# Altium PCB Motor_Driver_Module.PcbDoc
Units mm, origin at the board's own origin, x right, y up, seen from the top; angles counter-clockwise.
Board outline 86.99 x 52.07 mm, 2 copper layers (Top Layer, Bottom Layer); 89 components, 61 nets, 328 pads, 38 vias.
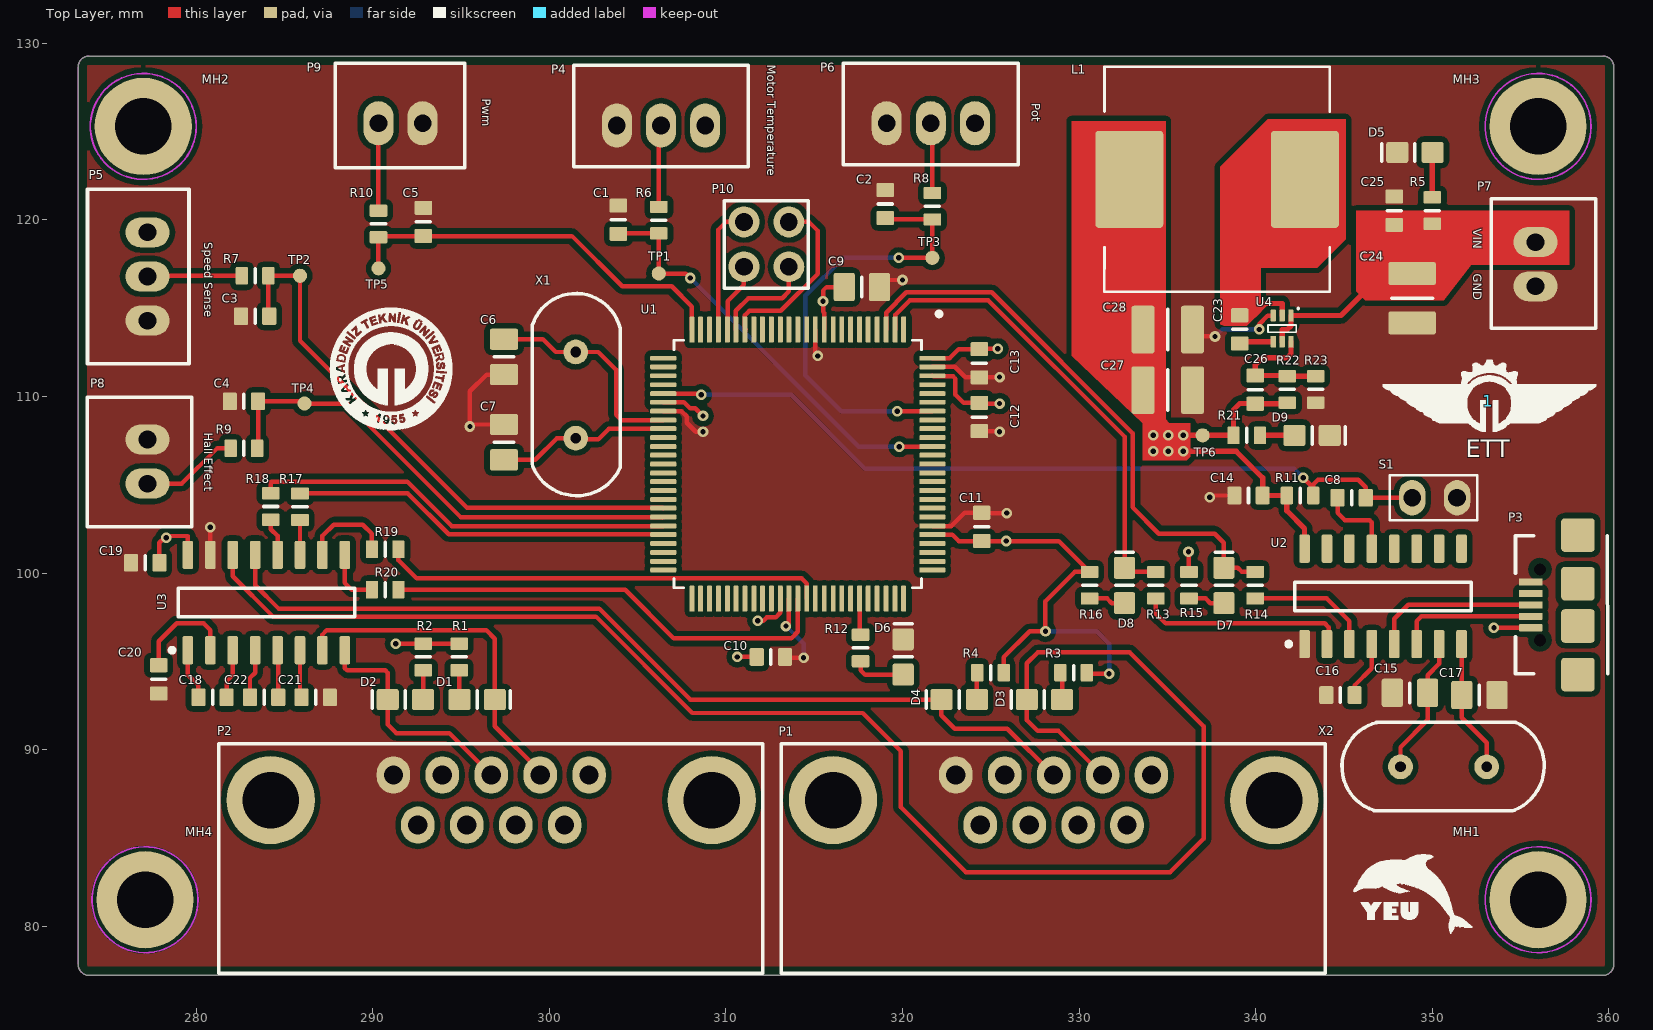
[diagram p0: Top Layer view]
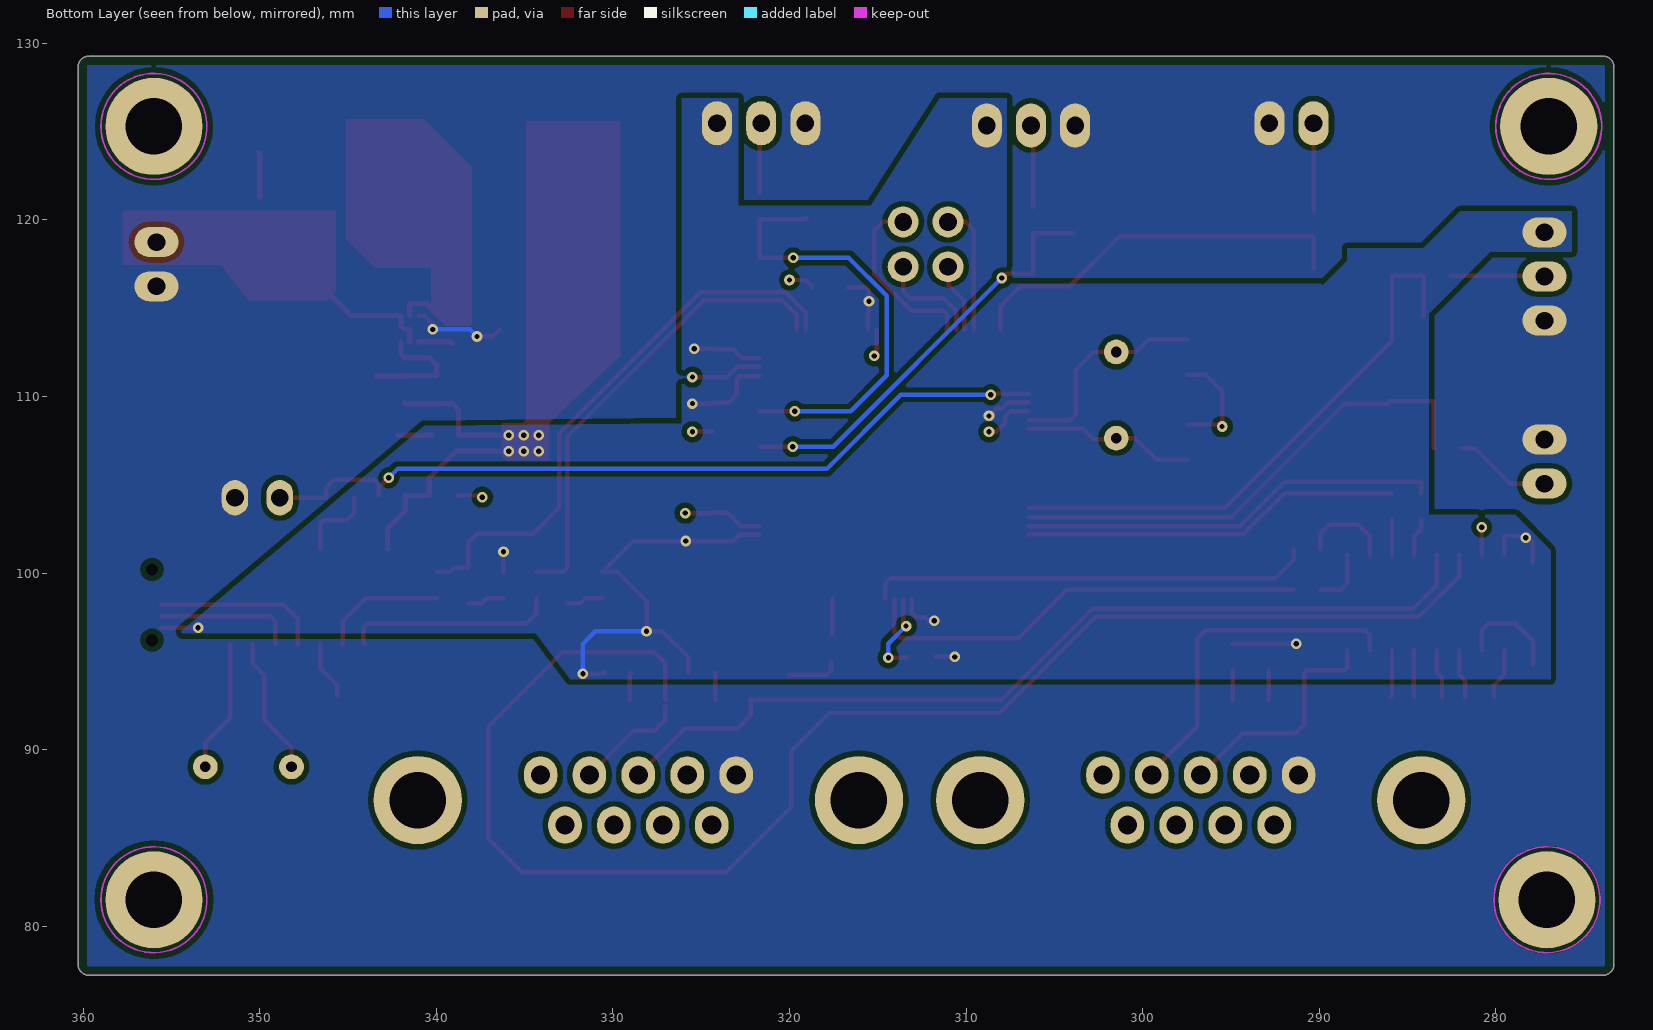
[diagram p1: Bottom Layer view, seen from below]

## Layer stack, top to bottom
Top Solder: solder mask 0.0102, Solder Resist, Dk 3.5
Top Layer: signal copper 0.0356
Dielectric 1: dielectric 0.32, FR-4, Dk 4.8
Bottom Layer: signal copper 0.0356
Bottom Solder: solder mask 0.0102, Solder Resist, Dk 3.5

## Board outline
273.304,77.851 ccw(c273.939,77.851) 273.939,77.216 359.664,77.216 ccw(c359.664,77.851) 360.299,77.851 360.299,128.651 ccw(c359.664,128.651) 359.664,129.286 273.939,129.286 ccw(c273.939,128.651) 273.304,128.651

## Design rules (kind name [scope] priority, off if disabled: settings)
BoardOutlineClearance Silk_Top [OnLayer('Top Overlay')] p1: gap=0 ignorepadtopadclearanceinfootprint=FALSE
BoardOutlineClearance [All] p2: gap=0.5 ignorepadtopadclearanceinfootprint=FALSE
Clearance SOT-563 [HasFootprint('SOT-563')] p1: gap=0.2 ignorepadtopadclearanceinfootprint=FALSE except(0: Arc-Hole Track-Hole SMDPad-Hole THPad-Hole Via-Hole Fill-Hole Poly-Hole Region-Hole Text-Hole)
Clearance 10-WFDFN [HasFootprint('10-WFDFN')] p2: gap=0.2 ignorepadtopadclearanceinfootprint=FALSE except(0: Arc-Hole Track-Hole SMDPad-Hole THPad-Hole Via-Hole Fill-Hole Poly-Hole Region-Hole Text-Hole)
Clearance HTSSOP-14 [HasFootprint('HTSSOP-14')] p3: gap=0.2 ignorepadtopadclearanceinfootprint=FALSE except(0: Arc-Hole Track-Hole SMDPad-Hole THPad-Hole Via-Hole Fill-Hole Poly-Hole Region-Hole Text-Hole)
Clearance Polygon [IsRegion] p4: gap=0.3 ignorepadtopadclearanceinfootprint=FALSE except(0: Arc-Hole Track-Hole SMDPad-Hole THPad-Hole Via-Hole Fill-Hole Poly-Hole Region-Hole Text-Hole)
Clearance USB_CONNECTOR [HasFootprint('MICRO USB B SMD')] p5: gap=0.2 ignorepadtopadclearanceinfootprint=TRUE except(0: Arc-Hole Track-Hole SMDPad-Hole THPad-Hole Via-Hole Fill-Hole Poly-Hole Region-Hole Text-Hole; 0.15: Arc-SMDPad Arc-THPad Track-SMDPad Track-THPad SMDPad-SMDPad SMDPad-THPad THPad-THPad)
Clearance [All] p6: gap=0.2 ignorepadtopadclearanceinfootprint=FALSE except(0: Arc-Hole Track-Hole SMDPad-Hole THPad-Hole Via-Hole Fill-Hole Poly-Hole Region-Hole Text-Hole)
Height [All] p1: minheight=0 maxheight=35 prefheight=12.7
HoleSize [All] p1: absolutevalues=TRUE maxlimit=3.5 minlimit=0.025 maxpercent=80.000 minpercent=20.000
MinimumSolderMaskSliver [All] p1: minsoldermaskwidth=0.099
PolygonConnect [All] p1: connectstyle=Direct reliefconductorwidth=0.254 reliefentries=4 polygonreliefangle="90 Angle" airgapwidth=0.254
RoutingVias [All] p1: holewidth=0.711 width=1.27 viastyle="Through Hole" minholewidth=0.3 minwidth=0.6 maxholewidth=0.711 maxwidth=1.27
SilkToSilkClearance [All] p1: silktosilkclearance=0.1
SilkToSolderMaskClearance [IsPad] p1: minsilkscreentomaskgap=0.1 clearancetoexposedcopper=TRUE
SolderMaskExpansion [All] p1: expansion=0.05
Width [All] p1: maxlimit=2 minlimit=0.25 preferedwidth=0.25
25 further rules are at their usual default settings.

## Classes and differential pairs
component class Power: C23 C24 C25 C26 C27 C28 D9 L1 R21 R22 R23 TP6 U4
component class Peripheral: C14 C15 C16 C17 C18 C19 C20 C21 C22 D7 D8 R13 R14 R15 R16 R17 R18 R19 R20 U2 U3 X2
component class MCU: C6 C7 C8 C9 C10 C11 C12 C13 D6 P10 R11 R12 S1 U1 X1
component class Connectors: C1 C2 C3 C4 C5 D1 D2 D3 D4 D5 MH1 MH2 MH3 MH4 P1 P2 P3 P4 P5 P6 P7 P8 P9 R1 R2 R3 R4 R5 R6 R7 R8 R9 R10 TP1 TP2 TP3 TP4 TP5

## Components (designator, comment, footprint, x,y, rotation, side; value= is the part's Value field where it differs from the comment)
1 "KTUETT_LOGO" KTUETT_LOGO 353.187,109.728 r0 top
C1 "100nF" CAP-0603 303.911,120.015 r270 top
C2 "100nF" CAP-0603 319.024,120.904 r270 top
C3 "100nF" CAP-0603 283.337,114.554 r0 top
C4 "10nF" CAP-0603 282.702,109.728 r0 top
C5 "10nF" CAP-0603 292.862,119.888 r90 top
C6 "22pF" CAP-0805 297.434,112.241 r90 top
C7 "22pF" CAP-0805 297.434,107.415 r270 top
C8 "100nF" CAP-0603 345.44,104.267 r180 top
C9 "4.7uF" CAP-0805 317.7,116.2 r180 top
C10 "100nF" CAP-0603 312.547,95.25 r180 top
C11 "100nF" CAP-0603 324.485,102.616 r270 top
C12 "100nF" CAP-0603 324.358,108.839 r90 top
C13 "100nF" CAP-0603 324.358,111.887 r90 top
C14 "100nF" CAP-0603 339.598,104.394 r0 top
C15 "22pF" CAP-0805 348.742,93.218 r0 top
C16 "10nF" CAP-0603 344.805,93.091 r0 top
C17 "22pF" CAP-0805 352.679,93.091 r180 top
C18 "100nF" CAP-0603 280.924,92.964 r180 top
C19 "100nF" CAP-0603 277.114,100.584 r0 top
C20 "100nF" CAP-0603 277.876,93.98 r90 top
C21 "100nF" CAP-0603 286.766,92.964 r180 top
C22 "100nF" CAP-0603 283.845,92.964 r180 top
C23 "100nF" CAP-0603 339.1,113.8 r90 top
C24 "22uF" CAP-1210 348.869,115.57 r90 top
C25 "100nF" CAP-0603 347.853,120.523 r270 top
C26 "56pF" CAP-0603 339.979,110.39 r270 top
C27 "22uF" CAP-1210 335.026,110.363 r180 top
C28 "22uF" CAP-1210 335.026,113.792 r180 top
D1 "BL-HKB35A-TRB" LED-0805 295.91,92.837 r0 top
D2 "BL-HKB35A-TRB" LED-0805 291.846,92.837 r180 top
D3 "BL-HKB35A-TRB" LED-0805 328.041,92.837 r180 top
D4 "BL-HKB35A-TRB" LED-0805 323.215,92.837 r180 top
D5 "BL-HKB35A-TRB" LED-0805 349.025,123.825 r180 top
D6 "BL-HKB35A-TRB" LED-0805 320.04,95.25 r90 top
D7 "BL-HKB35A-TRB" LED-0805 338.203,99.298 r90 top
D8 "BL-HKB35A-TRB" LED-0805 332.576,99.298 r90 top
D9 "BL-HKB35A-TRB" LED-0805 343.2,107.8 r0 top
L1 "4.7uH" IND_EATON_DR125-4R7-R 337.82,122.301 r180 top
MH1 "3mm Mounting Hole" "3mm Mounting Hole" 356,81.5 r0 top
MH2 "3mm Mounting Hole" "3mm Mounting Hole" 277,125.3 r0 top
MH3 "3mm Mounting Hole" "3mm Mounting Hole" 356,125.3 r0 top
MH4 "3mm Mounting Hole" "3mm Mounting Hole" 277.1,81.5 r0 top
P1 "DS1037-09FNAKT74" "D SUB 9PIN FEMALE 90C TH" 328.561,87.145 r0 top
P2 "DS1037-09FNAKT74" "D SUB 9PIN FEMALE 90C TH" 296.708,87.145 r0 top
P3 "5UR2B01MF-105G0BUHR1" "MICRO USB B SMD" 356.921,98.203 r90 top
P4 "L-KLS1-2.50-03-S" "3PIN MALE 180C TH 2.5mm" 306.324,125.353 r180 top
P5 "L-KLS1-2.50-03-S" "3PIN MALE 180C TH 2.5mm" 277.241,116.8 r270 top
P6 "L-KLS1-2.50-03-S" "3PIN MALE 180C TH 2.5mm" 321.604,125.48 r180 top
P7 "L-KLS1-XL4-2.50-02-S" "2 PIN MALE 180C TH 2.50MM" 350.774,115.991 r270 top
P8 "L-KLS1-XL4-2.50-02-S" "2 PIN MALE 180C TH 2.50MM" 282.321,107.823 r90 top
P9 "L-KLS1-XL4-2.50-02-S" "2 PIN MALE 180C TH 2.50MM" 293.076,120.396 r0 top
P10 "2x2 Header" "2x2 Header (2.54mm)" 312.293,118.618 r180 top
R1 "1k" RES-0603 294.894,95.25 r90 top
R2 "1k" RES-0603 292.862,95.25 r90 top
R3 "1k" RES-0603 329.692,94.361 r0 top
R4 "1k" RES-0603 324.993,94.361 r0 top
R5 "10k" RES-0603 350.012,120.535 r270 top
R6 "10k" RES-0603 306.197,119.988 r270 top
R7 "10k" RES-0603 283.337,116.84 r0 top
R8 "10k" RES-0603 321.691,120.777 r270 top
R9 "10k" RES-0603 282.702,107.061 r0 top
R10 "1k" RES-0603 290.322,119.773 r270 top
R11 "10k" RES-0603 342.519,104.394 r180 top
R12 "1k" RES-0603 317.627,95.758 r90 top
R13 "1k" RES-0603 334.352,99.314 r90 top
R14 "1k" RES-0603 339.979,99.314 r90 top
R15 "1k" RES-0603 336.227,99.314 r90 top
R16 "1k" RES-0603 330.6,99.314 r90 top
R17 "1k" RES-0603 285.877,103.759 r90 top
R18 "1k" RES-0603 284.226,103.771 r90 top
R19 "1k" RES-0603 290.703,101.346 r0 top
R20 "1k" RES-0603 290.703,99.06 r0 top
R21 "10k" RES-0603 339.5,107.8 r180 top
R22 "52.3k" RES-0603 341.8,110.4 r270 top
R23 "10k" RES-0603 343.4,110.4 r90 top
S1 "Push Button" "2.54mm_Push Button" 350.139,104.267 r180 top
TP1 "Test Point" "0.8mm Test Point" 306.197,116.967 r90 top
TP2 "Test Point" "0.8mm Test Point" 285.877,116.84 r90 top
TP3 "Test Point" "0.8mm Test Point" 321.691,117.856 r90 top
TP4 "Test Point" "0.8mm Test Point" 286.131,109.601 r90 top
TP5 "Test Point" "0.8mm Test Point" 290.322,117.26 r90 top
TP6 "Test Point" "0.8mm Test Point" 337,107.8 r90 top
U1 "ATMEGA2560-16AU" "TQFP-100 Microchip" 314.071,106.172 r270 top
U2 "CH340G" 16-SOIC_CH340G 347.218,98.679 r90 top
U3 "MAX232DR" 16-SOIC_MAX232DR 283.972,98.331 r90 top
U4 "TPS562202DRLR" SOT-563 341.503,113.846 r270 top
X1 "16Mhz" "OSC-THT (11.5*5.00*3.60)" 301.498,110.082 r90 top
X2 "12Mhz" "OSC-THT (11.5*5.00*3.60)" 350.647,89.027 r180 top

## Footprints (in the part's own frame and the unit in brackets; to place one, negate y for a bottom-side part, rotate by r counter-clockwise, add the part's x,y. Pads: shape width x height; smd on the part's side, far side on the other; paste and mask are expansions set on the pad)
"0.8mm Test Point" [mm]
  round 0.8 smd: 1(0,0)
"2 PIN MALE 180C TH 2.50MM" [mm]
  oval 1.7x2.5 hole 1: 1(-2.754,5.08) 2(-0.254,5.08)
  silkscreen extent -5.2,2.57 2.13,8.48, body extent -5.12,2.64 2.06,8.48, height 7.21
"2.54mm_Push Button" [mm]
  oval 1.5x2 hole 1: 1(-1.27,0) 2(1.27,0)
  silkscreen extent -2.41,-1.27 2.54,1.27
"2x2 Header (2.54mm)" [mm]
  round 1.75 hole 1: 1(-1.27,1.27) 2(1.27,1.27) 3(-1.27,-1.27) 4(1.27,-1.27)
  silkscreen extent -2.37,-2.47 2.37,2.47, body extent -2.34,-2.44 2.34,2.44, height 8.24
"3mm Mounting Hole" [mm]
  round 5.5 hole 3.2: 1(0,0)
  Top Layer keep-out circle w0.1: c0,0 r3
  Bottom Layer keep-out circle w0.1: c0,0 r3
"3PIN MALE 180C TH 2.5mm" [mm]
  oval 1.7x2.5 hole 1: 1(-2.5,0) 2(0,0) 3(2.5,0)
  silkscreen extent -4.95,-3.4 4.95,2.35, body extent -4.95,-3.4 4.95,2.35, height 7
16-SOIC_CH340G [mm]
  rrect30% 1.6x0.6 smd: 1(-2.7,4.445) 2(-2.7,3.175) 3(-2.7,1.905) 4(-2.7,0.635) 5(-2.7,-0.635) 6(-2.7,-1.905) 7(-2.7,-3.175) 8(-2.7,-4.445) 9(2.7,-4.445) 10(2.7,-3.175) 11(2.7,-1.905) 12(2.7,-0.635) 13(2.7,0.635) 14(2.7,1.905) 15(2.7,3.175) 16(2.7,4.445)
  silkscreen extent -2.82,-5 0.8,5.47, body extent -3,-4.95 3,4.95, height 1.4
16-SOIC_MAX232DR [mm]
  rrect30% 1.6x0.6 smd: 1(-2.7,4.445) 2(-2.7,3.175) 3(-2.7,1.905) 4(-2.7,0.635) 5(-2.7,-0.635) 6(-2.7,-1.905) 7(-2.7,-3.175) 8(-2.7,-4.445) 9(2.7,-4.445) 10(2.7,-3.175) 11(2.7,-1.905) 12(2.7,-0.635) 13(2.7,0.635) 14(2.7,1.905) 15(2.7,3.175) 16(2.7,4.445)
  silkscreen extent -2.82,-5 0.8,5.47, body extent -3,-4.95 3,4.95, height 1.4
CAP-0603 [mm]
  rrect20% 0.8x1 smd: 1(-0.8,0) 2(0.8,0)
  silkscreen extent 0,-0.4 0,0.4, body extent -0.8,-0.4 0.8,0.41, height 0.87
CAP-0805 [mm]
  rrect20% 1.2x1.6 smd: 1(-1,0) 2(1,0)
  silkscreen extent 0,-0.55 0,0.55, body extent -1,-0.62 1,0.63, height 0.78
CAP-1210 [mm]
  rrect20% 1.3x2.7 smd: 1(-1.4,0) 2(1.4,0)
  silkscreen extent 0,-1.15 0,1.15, body extent -1.6,-1.25 1.6,1.25, height 1.3
"D SUB 9PIN FEMALE 90C TH" [mm]
  round 5 hole 3.2: 0(-12.495,0) 0(12.495,0)
  oval 1.9x2.1 hole 1.09: 1(5.54,1.42) 2(2.77,1.42) 3(0,1.42) 4(-2.77,1.42) 5(-5.54,1.42) 6(4.155,-1.42) 7(1.385,-1.42) 8(-1.385,-1.42) 9(-4.155,-1.42)
  silkscreen extent -15.42,-9.8 15.39,3.2, body extent -15.42,-15.34 15.39,2.96, height 12.47
IND_EATON_DR125-4R7-R [mm]
  rrect10% 3.85x5.5 smd: 1(-4.975,0) 2(4.975,0)
  silkscreen extent -6.38,-6.38 6.4,6.38, body extent -6.25,-6.25 6.25,6.25, height 8.5
KTUETT_LOGO [mm]
  silkscreen extent -5.99,-1.69 6.1,2.35
LED-0805 [mm]
  rrect20% 1.25x1.2 smd: 1(-1,0) 2(1,0)
  silkscreen extent 0,-0.5 1.88,0.5, body extent -1,-0.45 1.06,0.46, height 0.85
"MICRO USB B SMD" [mm]
  round 0 hole 0.7: 0(-2,0.813) 0(2,0.813)
  rrect20% 0.4x1.35 smd: 1(-1.3,1.338) 2(-0.65,1.338) 3(0,1.338) 4(0.65,1.338) 5(1.3,1.338)
  rrect20% 1.9x1.9 smd: 6(-3.95,-1.337) 6(-1.2,-1.337) 6(1.2,-1.337) 6(3.95,-1.337)
  silkscreen extent -3.9,-3.04 3.9,2.2, body extent -3.9,-3.04 3.9,1.96, height 2.73
"OSC-THT (11.5*5.00*3.60)" [mm]
  round 1.4 hole 0.6: 1(-2.44,0) 2(2.44,0)
  silkscreen extent -5.7,-2.53 5.75,2.47, body extent -5.59,-2.4 5.69,2.37, height 3.63
RES-0603 [mm]
  rrect20% 0.7x1 smd: 1(-0.75,0) 2(0.75,0)
  silkscreen extent 0,-0.4 0,0.4, body extent -0.8,-0.41 0.8,0.41, height 0.51
SOT-563 [mm]
  rrect30% 0.67x0.3 smd: 1(-0.74,0.5) 2(-0.74,0) 3(-0.74,-0.5) 4(0.74,-0.5) 5(0.74,0) 6(0.74,0.5)
  silkscreen extent -1.14,-0.8 0.2,0.9, body extent -0.84,-0.8 0.76,0.8, height 0.6
"TQFP-100 Microchip" [mil]
  rrect35% 58x11 smd: 1(-300,236) 2(-300,217) 3(-300,197) 4(-300,177) 5(-300,157) 6(-300,138) 7(-300,118) 8(-300,98) 9(-300,79) 10(-300,59) 11(-300,39) 12(-300,20) 13(-300,0) 14(-300,-20) 15(-300,-39) 16(-300,-59) 17(-300,-79) 18(-300,-98) 19(-300,-118) 20(-300,-138) 21(-300,-157) 22(-300,-177) 23(-300,-197) 24(-300,-217) 25(-300,-236) 51(300,-236) 52(300,-217) 53(300,-197) 54(300,-177) 55(300,-157) 56(300,-138) 57(300,-118) 58(300,-98) 59(300,-79) 60(300,-59) 61(300,-39) 62(300,-20) 63(300,0) 64(300,20) 65(300,39) 66(300,59) 67(300,79) 68(300,98) 69(300,118) 70(300,138) 71(300,157) 72(300,177) 73(300,197) 74(300,217) 75(300,236)
  rrect35% 11x58 smd: 26(-236,-300) 27(-217,-300) 28(-197,-300) 29(-177,-300) 30(-157,-300) 31(-138,-300) 32(-118,-300) 33(-98,-300) 34(-79,-300) 35(-59,-300) 36(-39,-300) 37(-20,-300) 38(0,-300) 39(20,-300) 40(39,-300) 41(59,-300) 42(79,-300) 43(98,-300) 44(118,-300) 45(138,-300) 46(157,-300) 47(177,-300) 48(197,-300) 49(217,-300) 50(236,-300) 76(236,300) 77(217,300) 78(197,300) 79(177,300) 80(157,300) 81(138,300) 82(118,300) 83(98,300) 84(79,300) 85(59,300) 86(39,300) 87(20,300) 88(0,300) 89(-20,300) 90(-39,300) 91(-59,300) 92(-79,300) 93(-98,300) 94(-118,300) 95(-138,300) 96(-157,300) 97(-177,300) 98(-197,300) 99(-217,300) 100(-236,300)
  silkscreen extent -340,-276 276,320, body extent -315,-315 315,315, height 46

## Part data
C1 C2 C3 C8 C10 C11 C12 C13 C14 C18 C19 C20 C21 C22 C23 C25: library part CGA3E2X7R1H104K080AA, Manufacturer=TDK, Temperature Coefficient=X7R, Tolerance=%10, Voltage=50V, Component Type="Ceramic Capacitor", Man Code=CGA3E2X7R1H104K080AA
C4 C5 C16: library part 06031C103K4T4A, Manufacturer=AVX, Temperature Coefficient=X7R, Tolerance=%10, Voltage=100V, Component Type="Ceramic Capacitor", Man Code=06031C103K4T4A
C6 C7 C15 C17: library part CL21C220JBANNNC, Manufacturer="Samsung Electro-Mechanics", Temperature Coefficient=C0G, Tolerance=%5, Voltage=50V, Component Type="Ceramic Capacitor", Man Code=CL21C220JBANNNC
C9: library part C0805C475K3RACAUTO, Manufacturer=Kemet, Temperature Coefficient=X7R, Tolerance=%10, Voltage=25V, Component Type="Ceramic Capacitor", Man Code=C0805C475K3RACAUTO
C24 C27 C28: library part CL32B226KAJNNNE, Manufacturer="Samsung Electro-Mechanics", Temperature Coefficient=X7R, Tolerance=%10, Voltage=25V, Component Type="Ceramic Capacitor", Man Code=CL32B226KAJNNNE
C26: library part GCM1885C2A560FA16D, Manufacturer=Murata, Temperature Coefficient=C0G, Tolerance=%1, Voltage=100V, Component Type="Ceramic Capacitor", Man Code=GCM1885C2A560FA16D
D1 D2 D3 D4 D5 D6 D7 D8 D9: Colour=Yellow, Manufacturer="BRIGHT LED", Component Type=Led, If=20mA, Lens Transparency="Water Clear", Luminous Intensity=94mcd, Man Code=BL-HKB35A-TRB, Vf=2.2V
L1: library part DR125-4R7-R, Manufacturer=Eaton, Max DC Current=7.18A, Max Dc Resistance=10.5mOhm, Tolerance=%20, Component Type="Fixed Inductor", Man Code=DR125-4R7-R
P1 P2: Contact Resistance(max)=20mohm, Current(max)=1.5A, Manufacturer=CONNFLY, Component Type="D SUB 9 PIN Female Connector", Contact Number=9, Gender=Female, Man Code=DS1037-09FNAKT74, Mating Connector=L-KLS1-213-09-M-L, Mounting Angle=90, Mounting Style="Through Hole", Number of Row=2, Pitch=2.77mm
P3: Contact Resistance(max)=30mohm, Current(max)=1A, Manufacturer=AMTEK, Component Type="MICRO USB B Connector", Contact Number=5, Gender=Female, Man Code=5UR2B01MF-105G0BUHR1, Mating Connector="MICRO USB B", Mounting Angle=90, Mounting Style=SMD, Number of Row=1, Pitch=0.65mm
P4 P5 P6: Contact Resistance(max)=10mohm, Current(max)=3A, Manufacturer="KLS ELECTRONIC", Component Type="CONN 3PIN MALE 180C TH 2.5mm", Contact Number=3, Gender=Male, Man Code=L-KLS1-2.50-03-S, Mating Connector=L-KLS1-2.50-03-H, Mounting Angle=180, Mounting Style="Through Hole", Number of Row=1, Pitch=2.5mm
P7 P8 P9: Contact Resistance (Max)=10mohm, Current(max)=3A, Manufacturer="KLS ELECTRONIC", Component Type="CONN 2PIN MALE 180C TH 2.5mm", Contact Number=3, Gender=Male, Man Code=L-KLS1-XL4-2.50-02-S, Mounting Angle=180, Mounting Style=THT, Number of Row=1, Pitch=2.50mm
P10: library part "2x2 Header (2.54mm)", Contact Resistance(max)=-, Component Type=Header, Contact Number=4, Current(max)=-, Gender=Male, Man Code="2x2 Header", Manufacturer=-, Mating Connector=-, Mounting Angle=180, Mounting Style="Through Hole", Number of Row=2, Pitch=2.54mm
R1 R2 R3 R4 R10 R12 R13 R14 R15 R16 R17 R18 R19 R20: library part CRCW06031K00FKEAC, Manufacturer=Vishay, Power=0.1W, Tolerance=%1, Component Type="Chip Resistor", Man Code=CRCW06031K00FKEAC
R5 R6 R7 R8 R9 R11 R21 R23: library part CRCW060310K0FKEA, Manufacturer=Vishay, Power=0.1W, Tolerance=%1, Component Type="Chip Resistor", Man Code=CRCW060310K0FKEA
R22: library part ERJ-3EKF5232V, Manufacturer=Panasonic, Power=0.1W, Tolerance=%1, Component Type="Chip Resistor", Man Code=ERJ-3EKF5232V
U1: Manufacturer=Microchip, Supply Voltage="4.5V - 5.5V", Component Type=Microcontroller, Man Code=ATMEGA2560-16AU, Number Of Bits=8-Bit, Program Memory Size=256KB, Speed=16Mhz
U3: Manufacturer="Texas Instruments", Supply Voltage="4.5V - 5.5V", Component Type="RS-232 Transceiver", Data Rate=120Kbps, Man Code=MAX232DR
U4: Manufacturer="Texas Instruments", Component Type=Switcher, Man Code=TPS562202DRLR
X1: library part AS49S-16M-FC160F3, Capacitance=16pF, Frequency Stability=50ppm, Frequency Tolerance=20ppm, Manufacturer=ANSEN, Component Type="Crystal Oscillator", ESR=30ohm, Man Code=AS49S-16M-FC160F3
X2: library part AS49S-12M-FC160F3, Capacitance=16pF, Frequency Stability=50ppm, Frequency Tolerance=20ppm, Manufacturer=ANSEN, Component Type="Crystal Oscillator", ESR=40ohm, Man Code=AS49S-12M-FC160F3
1: Component Type=LOGO
MH1 MH2 MH3 MH4: Component Type="Mounting Hole"
S1: Component Type="Push Button"
TP1 TP2 TP3 TP4 TP5 TP6: Component Type="Test Point"
U2: Component Type="USB-TTL Converter", Man Code=CH340G

## Via types
v1: diameter 0.6, hole 0.3, Top Layer to Bottom Layer, 38 vias

## Nets (pads, with @x,y where several pads share a name; then routed paths per layer and width w, separated by ;. In a path a pad name is that pad's centre, name@x,y a point inside that pad or via, vN(x,y) a via of type N, cw(c..) or ccw(c..) an arc to the next point about the centre after c; other vN are vias at no path point)
5V: C9.2 C10.2 C11.2 C12.2 C13.2 C14.2 C19.2 C26.2 C27.2 C28.2 L1.2 P3.1 P4.1 P5.1 P6.1 R1.2 R2.2 R3.2 R4.2 R11.2 R15.2 R16.2 R21.2 R22.2 TP6.1 U1.10 U1.31 U1.61 U1.80 U1.98 U1.100 U2.16 U3.16 | length 73.5
  Top Layer w0.254: C19.2 277.914,101.714 278.2,102 v1(278.3,102) 278.4,102.1 279.527,102.1 U3.16 ; v1(291.3,96) R2.2 R1.2 ; U1.31 307.623,109.677 307.969,109.331 308.269,109.331 v1(308.7,108.9) ; v1(310.65,95.25) C10.2 ; v1(311.8,97.3) 312.123,97.3 312.311,97.488 312.819,97.488 313.08,97.75 U1.61 ; U1.10 315.57,114.73 315.5,114.8 v1(315.5,115.4) 315.5,116 315.7,116.2 C9.2 ; U1.80 322.816,102.184 323.184,101.816 C11.2 v1(325.884,101.816) 328.848,101.816 R16.2 329.764,100.064 328.1,98.4 v1(328.1,96.7) 327.2,96.7 325.743,95.243 R4.2 ; U1.98 321.732,111.134 322.865,111.134 323,111 323,110.1 323.461,109.639 C12.2 324.397,109.6 v1(325.5,109.6) ; U1.100 322.666,112.166 323.187,112.687 C13.2 324.371,112.7 v1(325.4,112.7) ; R3.2@330.481,94.4 R3.2 330.503,94.3 v1(331.7,94.3) ; v1(336.2,101.2) 336.227,101.173 R15.2 ; v1(353.5,96.9) 355.58,96.9 P3.1
  Top Layer w0.3: v1@335.7,106.9 v1(335.9,106.9) 338.9,106.9 340.4,105.4 340.4,104.396 C14.2 R11.2 341.769,103.531 342.773,102.527 U2.16 ; v1@335.7,107.8 v1(335.9,107.8) TP6.1 R21.2 338.75,109.25 339.1,109.6 339.969,109.6 C26.2 341.74,109.59 R22.2
  Bottom Layer w0.254: v1(328.1,96.7) 331,96.7 331.7,96 v1(331.7,94.3)
  other v1: 334.2,106.9 335.05,106.9 334.2,107.8 335.05,107.8
GND: C1.1 C2.1 C3.1 C4.1 C5.2 C6.1 C7.1 C9.1 C10.1 C11.1 C12.1 C13.1 C14.1 C15.1 C16.1 C17.1 C19.1 C20.1 C21.1 C24.1 C25.1 C27.1 C28.1 D5.2 D6.2 D9.2 P1.5 P2.5 P3.5 P4.3 P5.3 P6.3 P7.2 P8.2 P9.2 R23.1 S1.1 U1.11 U1.32 U1.62 U1.81 U1.99 U2.1 U3.15 U4.3 | length 35.3
  Top Layer w0.254: U3.15 280.8,101.034 v1(280.8,102.6) ; C7.1 295.615,108.415 v1(295.5,108.3) 295.5,110.3 296.441,111.241 C6.1 ; U1.32 307.489,109.169 307.781,108.877 307.781,108.519 308.3,108 v1(308.7,108) ; C10.1 313.397,95.2 v1(314.4,95.2) ; v1(313.4,97) 313.563,97.163 U1.62 ; U1.11 315.062,112.438 v1(315.2,112.3) ; C9.1 319.1,116.6 v1(320,116.6) ; U1.81 321.707,102.651 322.751,102.651 323.516,103.416 C11.1 324.501,103.4 v1(325.9,103.4) ; U1.99 322.958,111.684 323.555,111.087 C13.1 324.371,111.1 v1(325.5,111.1) ; C12.1 325.461,108.039 v1(325.5,108) ; C28.1 336.818,113.4 v1(337.7,113.4) ; v1(337.4,104.3) 337.494,104.394 C14.1 ; v1(340.2,113.8) 340.2,114.096 340.69,114.586 U4.3
  Bottom Layer w0.254: v1(313.4,97) 314.4,96 v1(314.4,95.2) ; v1(337.7,113.4) 338.1,113.8 v1(340.2,113.8)
HALL_EFFECT: C4.2 R9.2 TP4.1 U1.44 | length 28.4
  Top Layer w0.254: R9.2 283.502,107.111 C4.2 283.512,109.738 285.994,109.738 TP4.1 288.544,109.601 294.97,103.175 U1.44 U1.44@306.41,103.133
MCU_USB_N: P3.2 U2.6 | length 7.9
  Top Layer w0.254: U2.6 349.123,97.282 349.394,97.553 P3.2
MCU_USB_P: P3.3 U2.5 | length 9.5
  Top Layer w0.254: U2.5 347.853,97.409 348.647,98.203 P3.3
MISO: P10.4 U1.22 | length 7.3
  Top Layer w0.254: U1.22 309.575,119.456 310.007,119.888 P10.4
MOSI: P10.2 U1.21 | length 3.9
  Top Layer w0.254: U1.21 310.099,113.808 310.099,115.408 311.023,116.332 P10.2
MOTOR_TEMP: C1.2 R6.2 TP1.1 U1.90 | length 24.1
  Top Layer w0.254: C1.2 303.934,119.238 R6.2 TP1.1 307.721,116.967 v1(307.975,116.713) ; v1(319.811,107.163) U1.90
  Bottom Layer w0.254: v1(307.975,116.713) 317.525,107.163 v1(319.811,107.163)
NetC6_2: C6.2 U1.33 X1.2 | length 12.4
  Top Layer w0.254: C6.2 299.636,113.241 300.355,112.522 X1.2 302.768,112.522 303.784,111.506 303.784,108.966 304.089,108.661 U1.33
NetC7_2: C7.2 U1.34 X1.1 | length 9.8
  Top Layer w0.254: C7.2 299.201,106.415 300.428,107.642 X1.1 301.571,107.569 302.768,107.569 303.378,108.179 U1.34
NetC8_1: C8.1 R11.1 S1.2 U1.30 | length 46.1
  Top Layer w0.254: U1.30 308.54,110.16 v1(308.6,110.1) ; v1(342.7,105.4) R11.1@343.269,104.831 ; R11.1 R11.1@343.269,104.831 ; S1.2 C8.1 346.24,104.864 345.821,105.283 343.535,105.283 343.269,105.017 R11.1@343.269,104.831
  Bottom Layer w0.254: v1(308.6,110.1) 313.7,110.1 317.9,105.9 342.2,105.9 v1(342.7,105.4)
NetC8_2: C8.2 U2.13 | length 4.5
  Top Layer w0.254: C8.2 344.64,103.416 345.059,102.997 346.456,102.997 346.583,102.87 U2.13
NetC15_2: C15.2 U2.7 X2.2 | length 7.9
  Top Layer w0.254: X2.2 348.207,90.143 349.758,91.694 349.758,93.202 C15.2 349.742,94.218 350.393,94.869 U2.7
NetC16_2: C16.2 U2.4 | length 3.3
  Top Layer w0.254: C16.2 345.605,93.637 346.583,94.615 U2.4
NetC17_2: C17.2 U2.8 X2.1 | length 7.5
  Top Layer w0.254: U2.8 351.679,95.963 C17.2 351.679,91.805 353.087,90.397 X2.1
NetC18_1: C18.1 U3.3 | length 2.8
  Top Layer w0.254: C18.1 281.724,93.891 282.067,94.234 U3.3
NetC18_2: C18.2 U3.1 | length 2.9
  Top Layer w0.254: U3.1 279.527,94.234 280.124,93.637 C18.2
NetC20_2: C20.2 U3.2 | length 6
  Top Layer w0.254: C20.2 277.876,96.139 278.892,97.155 280.416,97.155 280.797,96.774 U3.2
NetC21_2: C21.2 U3.6 | length 2.7
  Top Layer w0.254: U3.6 285.877,93.053 C21.2
NetC22_1: C22.1 U3.5 | length 2.7
  Top Layer w0.254: U3.5 284.645,95.593 C22.1
NetC22_2: C22.2 U3.4 | length 2.8
  Top Layer w0.254: C22.2 283.045,94.069 283.337,94.361 U3.4
NetC23_1: C23.1 U4.4 | length 1.9
  Top Layer w0.3: C23.1 339.206,113.106 U4.4
NetC23_2: C23.2 L1.1 U4.2 | length 3.3
  Top Layer w0.3: C23.2 339.9,114.6 340.571,115.271 340.971,115.271 ; 341.029,115.271 341.489,115.271 341.503,115.257 U4.2
NetC26_1: C26.1 R22.1 R23.2 U4.6 | length 7
  Top Layer w0.3: U4.6 342.003,112.403 341.8,112.2 340.4,112.2 339.979,111.779 C26.1 341.76,111.19 R22.1 R23.2
NetD1_1: D1.1 R1.1 | length 1.7
  Top Layer w0.254: R1.1 294.91,94.484 D1.1
NetD2_1: D2.1 R2.1 | length 1.7
  Top Layer w0.254: D2.1 292.846,94.484 R2.1
NetD3_1: D3.1 R3.1 | length 1.6
  Top Layer w0.254: R3.1 329.041,94.262 D3.1
NetD4_1: D4.1 R4.1 | length 1.5
  Top Layer w0.254: D4.1 324.215,94.333 R4.1
NetD5_1: D5.1 R5.1 | length 2.6
  Top Layer w0.3: R5.1 350.012,123.73 D5.1@350.107,123.825
NetD6_1: D6.1 R12.1 | length 3
  Top Layer w0.254: R12.1 317.627,94.488 317.881,94.234 320.024,94.234 D6.1
NetD7_1: D7.1 R15.1 | length 2.1
  Top Layer w0.254: R15.1 337.173,98.564 337.439,98.298 D7.1
NetD7_2: D7.2 R14.2 U1.3 | length 32.2
  Top Layer w0.254: U1.3 319.075,114.754 320.218,115.897 325.054,115.897 333.03,107.921 333.03,103.723 334.518,102.235 337.693,102.235 338.203,101.725 D7.2 338.995,100.298 339.229,100.064 R14.2
NetD8_1: D8.1 R16.1 | length 2.1
  Top Layer w0.254: R16.1 331.585,98.564 331.851,98.298 D8.1
NetD8_2: D8.2 R13.2 U1.2 | length 26.7
  Top Layer w0.254: U1.2 319.583,114.62 320.406,115.443 324.866,115.443 332.576,107.733 D8.2 332.81,100.064 R13.2
NetD9_1: D9.1 R21.1 | length 2
  Top Layer w0.3: R21.1 D9.1
NetP4_2: P4.2 R6.1 | length 4.7
  Top Layer w0.254: R6.1 306.197,125.226 P4.2
NetP5_2: P5.2 R7.1 | length 5.4
  Top Layer w0.254: P5.2 277.281,116.84 R7.1
NetP6_2: P6.2 R8.1 | length 4
  Top Layer w0.254: P6.2 321.691,125.393 R8.1
NetP8_1: P8.1 R9.1 | length 5.5
  Top Layer w0.254: P8.1 279.186,105.069 281.178,107.061 R9.1
NetP9_1: P9.1 R10.1 | length 5
  Top Layer w0.254: R10.1 P9.1
NetR13_1: R13.1 U2.2 | length 12
  Top Layer w0.254: R13.1 334.352,97.702 334.899,97.155 343.916,97.155 344.131,96.94 344.131,96.067 U2.2
NetR14_1: R14.1 U2.3 | length 7.2
  Top Layer w0.254: R14.1 344.031,98.564 345.313,97.282 U2.3
NetR17_1: R17.1 U3.11 | length 2
  Top Layer w0.254: U3.11 R17.1
NetR17_2: R17.2 U1.46 | length 21.5
  Top Layer w0.254: R17.2 291.985,104.509 294.294,102.2 306.435,102.2 U1.46
NetR18_1: R18.1 U3.12 | length 2.1
  Top Layer w0.254: R18.1 284.226,102.489 284.607,102.108 U3.12
NetR18_2: R18.2 U1.45 | length 23.9
  Top Layer w0.254: R18.2 284.226,105.156 284.256,105.186 291.95,105.186 294.482,102.654 306.438,102.654 U1.45
NetR19_1: R19.1 U3.10 | length 5.2
  Top Layer w0.254: U3.10 287.147,102.108 287.782,102.743 289.433,102.743 289.953,102.223 R19.1
NetR19_2: R19.2 U1.64 | length 25.2
  Top Layer w0.254: R19.2 291.453,100.723 292.481,99.695 314.293,99.695 314.579,99.409 U1.64
NetR20_1: R20.1 U3.9 | length 3.3
  Top Layer w0.254: U3.9 288.417,99.441 288.798,99.06 R20.1
NetR20_2: R20.2 U1.63 | length 25.8
  Top Layer w0.254: R20.2 304.292,99.06 307.052,96.3 313.7,96.3 314.071,96.671 U1.63
POT: C2.2 R8.2 TP3.1 U1.94 | length 25.5
  Top Layer w0.254: C2.2 319.101,120.027 R8.2 TP3.1 v1(319.786,117.856) ; v1(319.71,109.169) U1.94
  Bottom Layer w0.254: v1(319.71,109.169) 316.535,109.169 314.5,111.204 314.5,115.7 316.656,117.856 v1(319.786,117.856)
PWM: C5.1 R10.2 TP5.1 U1.25 | length 22.5
  Top Layer w0.254: TP5.1 R10.2 290.387,119.088 C5.1 301.282,119.088 304.13,116.24 306.924,116.24 308.077,115.087 U1.25
RS232_RX_1: D2.2 P2.3 U3.8 | length 13.5
  Top Layer w0.254: U3.8 288.417,94.615 288.544,94.488 290.703,94.488 290.846,94.345 D2.2 290.846,91.424 291.338,90.932 294.341,90.932 P2.3
RS232_RX_3: D4.2 P1.3 U3.13 | length 51.9
  Top Layer w0.254: U3.13 283.337,99.314 284.661,97.99 302.829,97.99 307.982,92.837 D4.2 322.199,92.821 322.199,91.948 322.961,91.186 325.94,91.186 P1.3
RS232_TX_1: D1.2 P2.2 U3.7 | length 19.7
  Top Layer w0.254: U3.7 287.147,96.52 287.401,96.774 296.418,96.774 296.91,96.282 D1.2 296.91,91.329 299.478,88.761 P2.2
RS232_TX_3: D3.2 P1.2 U3.14 | length 92.6
  Top Layer w0.254: U3.14 282.067,99.822 284.353,97.536 302.641,97.536 308.102,92.075 317.754,92.075 319.913,89.916 319.913,86.741 323.596,83.058 335.153,83.058 337.058,84.963 337.058,91.313 332.867,95.504 327.66,95.504 327.041,94.885 D3.2 ; D3.2@327.041,92.456 327.041,91.678 327.66,91.059 328.837,91.059 P1.2
S\S\: P10.3 U1.19 | length 10.2
  Top Layer w0.254: U1.19@311.115,113.792 U1.19 311.074,114.594 311.335,114.856 313.11,114.856 315.214,116.96 315.214,119.38 314.706,119.888 P10.3
SCK: P10.1 U1.20 | length 5.9
  Top Layer w0.254: U1.20 310.566,114.859 311.277,115.57 313.182,115.57 313.563,115.951 P10.1
SPEED_SENSE: C3.2 R7.2 TP2.1 U1.43 | length 32.3
  Top Layer w0.254: C3.2 284.087,114.604 R7.2 TP2.1 285.877,113.157 295.335,103.699 306.435,103.699 U1.43
TEST_LED: R12.2 U1.70 | length 2.1
  Top Layer w0.254: U1.70 317.576,96.559 R12.2
VIN: C24.2 C25.2 P7.1 R5.2 U4.1 U4.5 | length 9.7
  Top Layer w0.3: U4.5 341.503,113.777 341.517,113.791 341.791,113.791 342.003,114.003 U4.1 344.837,114.586 347.221,116.97 C24.2
pads on no net: MH1.1 MH2.1 MH3.1 MH4.1 P1.0 P1.1 P1.4 P1.6 P1.7 P1.8 P1.9 P2.0 P2.1 P2.4 P2.6 P2.7 P2.8 P2.9 P3.0 P3.4 P3.6 U1.1 U1.4 U1.5 U1.6 U1.7 U1.8 U1.9 U1.12 U1.13 U1.14 U1.15 U1.16 U1.17 U1.18 U1.23 U1.24 U1.26 U1.27 U1.28 U1.29 U1.35 U1.36 U1.37 U1.38 U1.39 U1.40 U1.41 U1.42 U1.47 U1.48 U1.49 U1.50 U1.51 U1.52 U1.53 U1.54 U1.55 U1.56 U1.57 U1.58 U1.59 U1.60 U1.65 U1.66 U1.67 U1.68 U1.69 U1.71 U1.72 U1.73 U1.74 U1.75 U1.76 U1.77 U1.78 U1.79 U1.82 U1.83 U1.84 U1.85 U1.86 U1.87 U1.88 U1.89 U1.91 U1.92 U1.93 U1.95 U1.96 U1.97 U2.9 U2.10 U2.11 U2.12 U2.14 U2.15

## Polygon pours and split planes (outlines as drawn)
5V on Bottom Layer "5V_L02_P000" (solid, remove dead copper, pour order 0): 275.7,120.5 282,120.5 284.1,118.4 288.4,118.4 288.4,117.7 289.8,116.3 289.9,116.4 305.3,116.4 307.7,116.4 307.7,122.5 307.7,126.9 311.1,126.9 311.5,126.9 315.4,120.8 322.9,120.8 322.9,123.1 322.9,126.9 325.5,126.9 325.8,126.9 326.1,126.9 326.1,108.5 340.692,108.333 354.596,96.6 334.362,96.6 332.424,94 299.3,94 276.9,94 276.9,101.3 278.9,103.3 283.8,103.3 283.8,114.7 280.3,118.2 275.7,118.2 275.7,120.2
GND on Bottom Layer "GND_L02_P002" (solid, pour order 2): 260.3,136.4 260.8,135.9 371.2,135.9 371.2,67.6 366.9,63.3 262.1,63.3
GND on Top Layer "GND_L01_P004" (solid, pour order 4): 268.6,140.5 363.2,140.5 368.7,135 368.7,57.7 280.2,57.7 268.7,46.2

## Keep-outs
Keep-Out Layer:
  the board outline again, w0.07

## Other copper
Top Layer:
  region net 5V: 333.6,108.527 333.6,106.4 336.1,106.4 336.3,106.6 336.3,108.5 335.1,108.5 334.9,108.7
  region net 5V: 329.6,125.6 329.6,112.3 333.6,108.5 334.8,108.5 334.9,108.7 334.9,125.6
  region net NetC23_2: 338.2,114 339.5,114 340.3,114.8 340.3,117.3 343.5,117.3 345.1,118.9 345.1,125.7 340.7,125.7 338,123 338,114.1
  region net VIN: 357.759,117.475 352.227,117.475 350.647,115.443 346.202,115.443 345.694,115.951 345.694,120.523 357.759,120.523
Bottom Layer:
  region: 275.1,121

## Silkscreen, mask and mechanical layers (free items; w line width, h text height)
Top Overlay:
  drawing of 12 lines, arcs and shapes, not listed
  text "Motor Temperature" at 312.166,128.778 h0.8 r270
  text "Pwm" at 296.037,126.873 h0.8 r270
  text "Pot" at 327.152,126.619 h0.8 r270
  text "VIN" at 352.171,119.507 h0.8 r270
  text "Speed Sense" at 280.289,118.745 h0.8 r270
  text "GND" at 352.171,116.967 h0.8 r270
  text "Hall Effect" at 280.289,107.95 h0.8 r270
  text "ETT" at 351.917,106.553 h1

## Dimensions
360.299,77.851 to 273.304,77.851 on Mechanical 1
273.939,129.286 to 273.939,77.216 on Mechanical 1
277,125.3 to 271.272,134.366 on Mechanical 1